# KiCad board panel.opm-inline.kicad_pcb (continued)
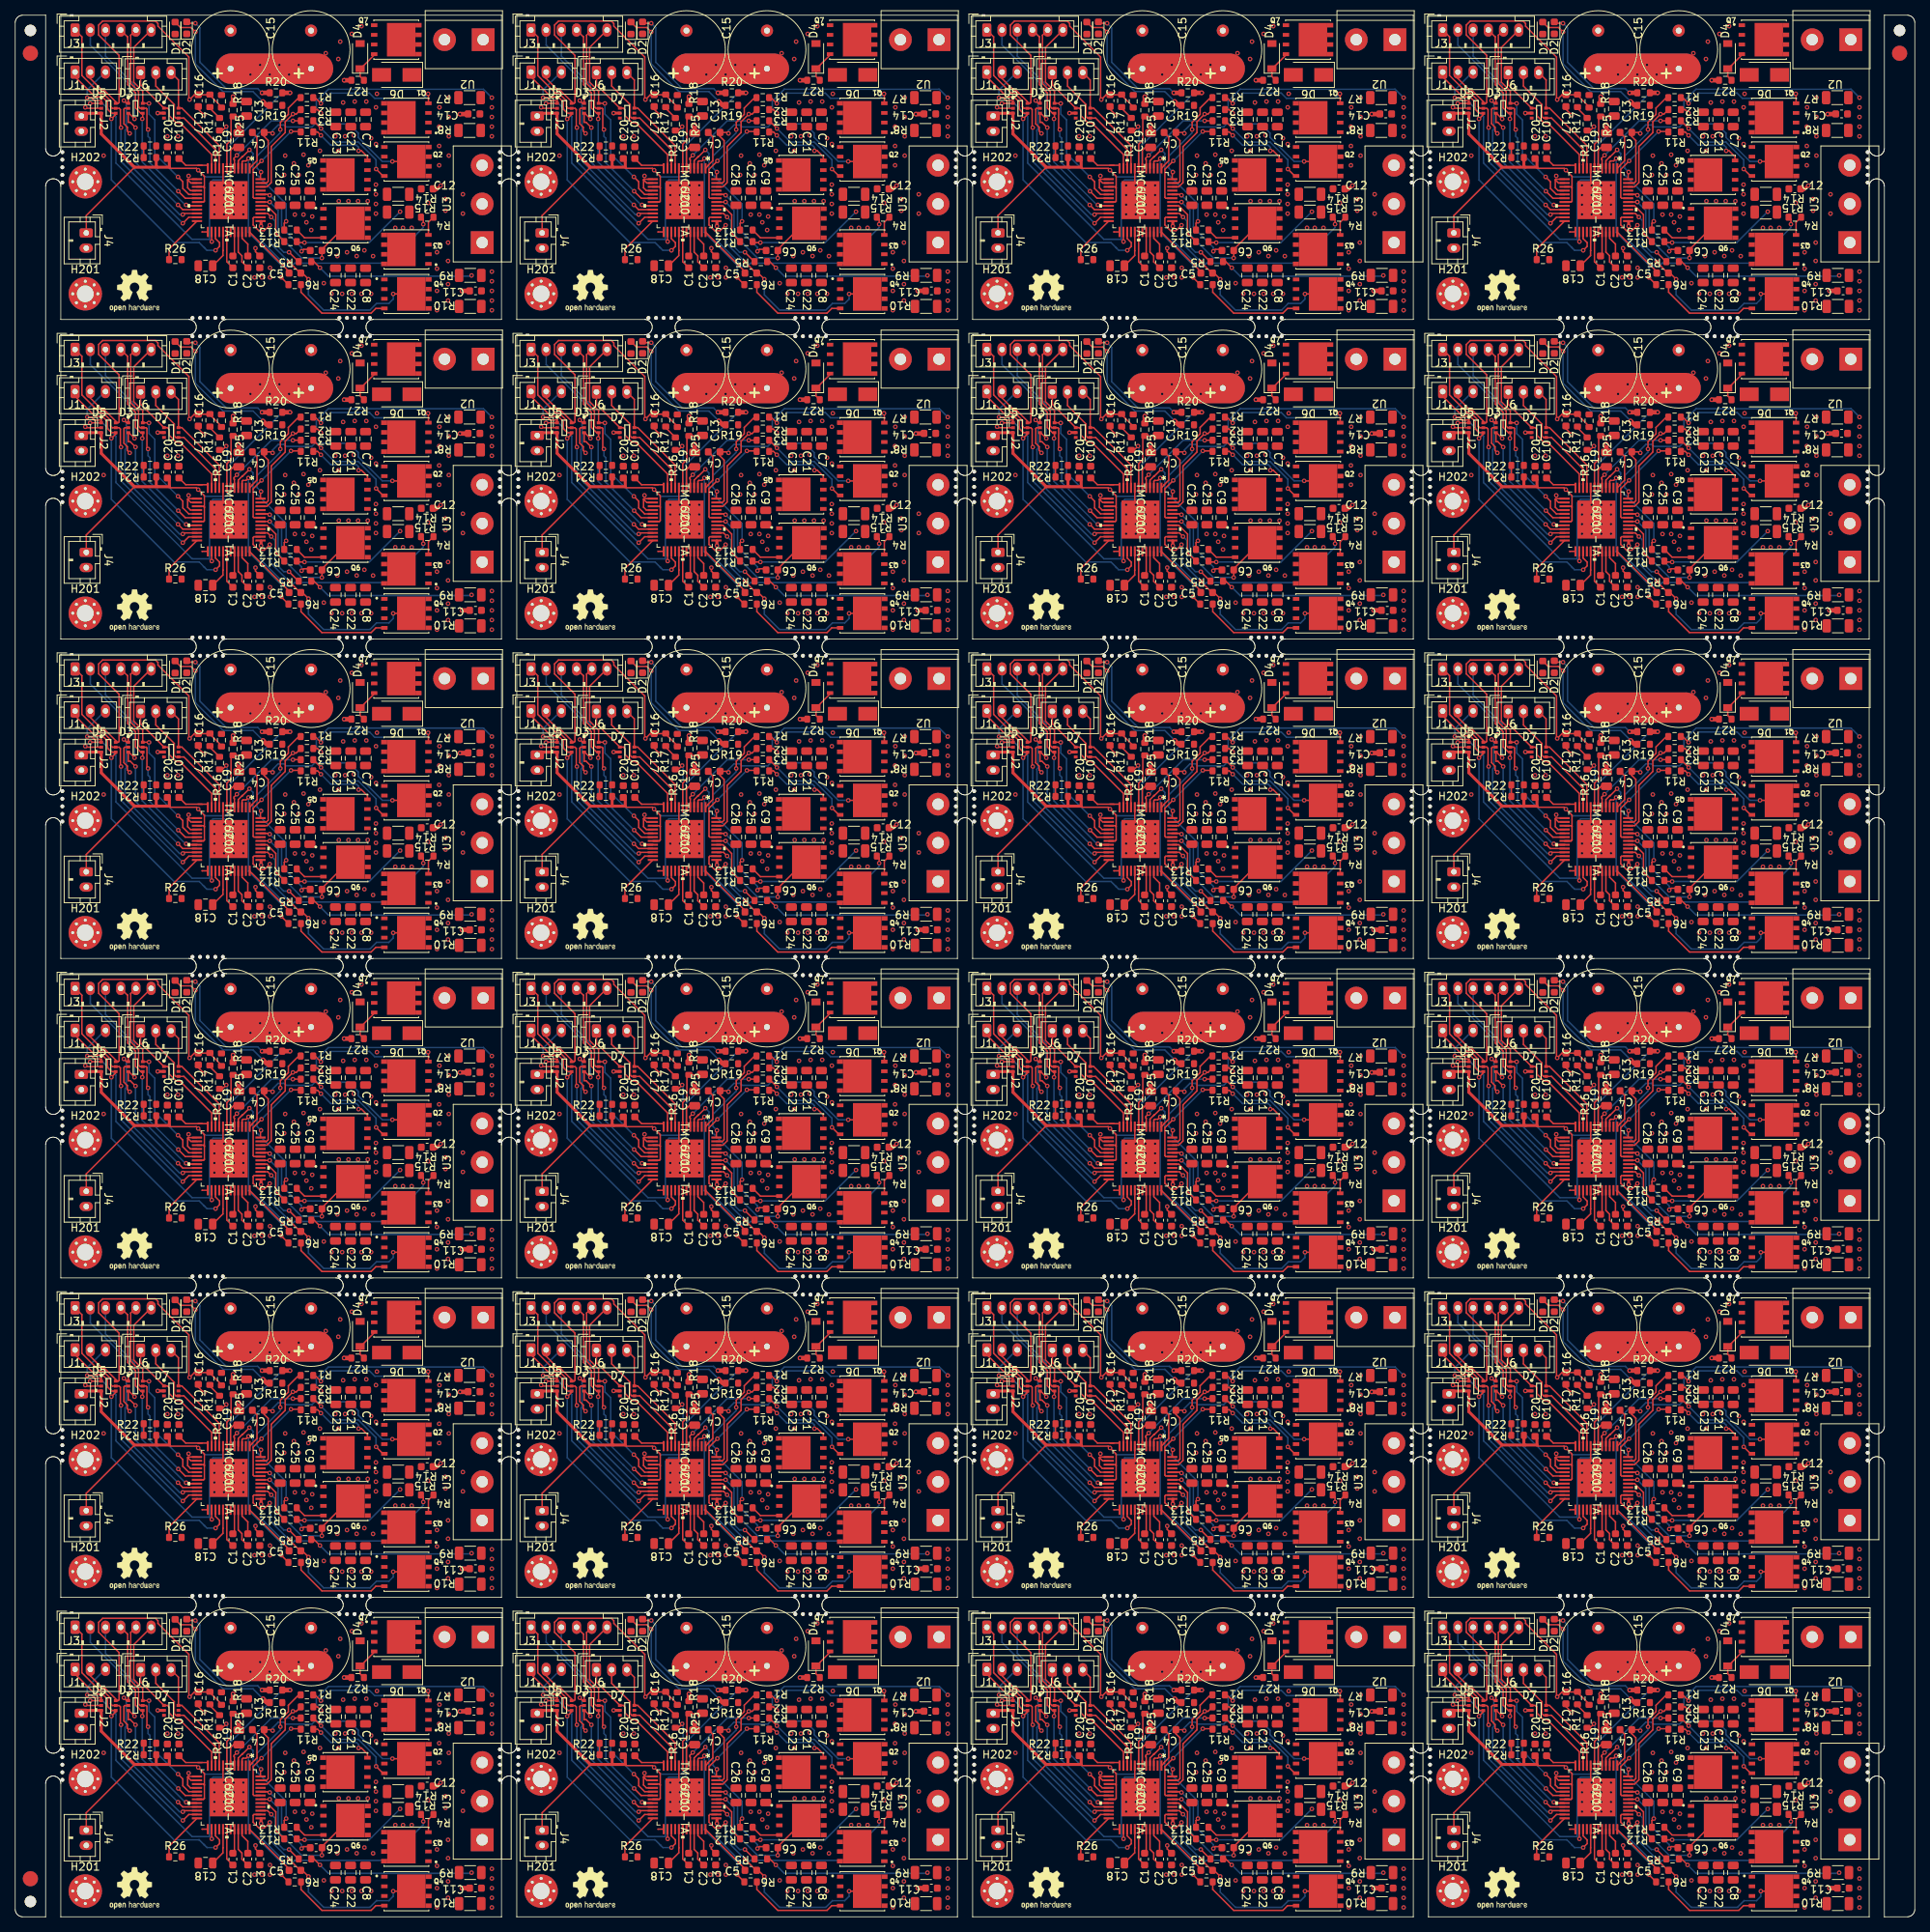
[diagram p0: board, top side]
## Nets (continued)
Board_9-Net-(C1-Pad1): C1#15.1 IC1#13.30
Board_9-Net-(C1-Pad2): C1#15.2 IC1#13.32
Board_9-Net-(C2-Pad2): C2#5.2 IC1#13.34
Board_9-Net-(C4-Pad1): C4.1 IC1#13.47 Q1#16.1 Q1#16.2 Q1#16.3 Q2#10.5 Q2#10.6 Q2#10.7 Q2#10.8 R7#10.2 R8#19.2
Board_9-Net-(C4-Pad2): C4.2 IC1#13.1
Board_9-Net-(C5-Pad1): C5#8.1 IC1#13.36
Board_9-Net-(C5-Pad2): C5#8.2 IC1#13.38 Q3#21.1 Q3#21.2 Q3#21.3 Q4#14.5 Q4#14.6 Q4#14.7 Q4#14.8 R9#23.2 R10#18.2
Board_9-Net-(C6-Pad1): C6#2.1 IC1#13.42 Q5#8.1 Q5#8.2 Q5#8.3 Q6#20.5 Q6#20.6 Q6#20.7 Q6#20.8 R14#14.2 R15#2.2
Board_9-Net-(C6-Pad2): C6#2.2 IC1#13.44
Board_9-Net-(D1-Pad2): D1#21.2 R19#21.1
Board_9-Net-(D2-Pad2): D2#9.2 R20#12.1
Board_9-Net-(D4-Pad1): D4#4.1 Q7#2.4 R27#22.1
Board_9-Net-(D6-Pad2): D6#17.2 Q7#2.5 Q7#2.6 Q7#2.7 Q7#2.8 U2#2.2
Board_9-Net-(IC1-Pad3): IC1#13.3 R6#2.2
Board_9-Net-(IC1-Pad4): IC1#13.4 R13#16.2
Board_9-Net-(IC1-Pad5): IC1#13.5 R3#19.2
Board_9-Net-(IC1-Pad24): IC1#13.24 R26#6.1
Board_9-Net-(IC1-Pad37): IC1#13.37 R4#18.2
Board_9-Net-(IC1-Pad39): IC1#13.39 R5#3.2
Board_9-Net-(IC1-Pad41): IC1#13.41 R12#9.2
Board_9-Net-(IC1-Pad43): IC1#13.43 R11#17.2
Board_9-Net-(IC1-Pad46): IC1#13.46 R2#23.2
Board_9-Net-(IC1-Pad48): IC1#13.48 R1#11.2
Board_9-Net-(Q1-Pad4): Q1#16.4 R1#11.1
Board_9-Net-(Q2-Pad4): Q2#10.4 R3#19.1
Board_9-Net-(Q3-Pad4): Q3#21.4 R4#18.1
Board_9-Net-(Q4-Pad4): Q4#14.4 R6#2.1
Board_9-Net-(Q5-Pad4): Q5#8.4 R11#17.1
Board_9-Net-(Q6-Pad4): Q6#20.4 R13#16.1
Board_9-Net-(R16-Pad2): R16#19.2 R17#15.1
Board_9-unconnected-(D7-Pad3): D7#2.3
Board_9-unconnected-(D7-Pad5): D7#2.5
Board_10-/+VM: C2#23.1 C3#24.1 C7#20.1 C8#9.1 C9#5.1 C15#23.1 C16#6.1 C21#19.1 C22#15.1 C23#2.1 C24#5.1 C25#18.1 C26#19.1 D4#23.2 IC1#4.33 Q1#5.5 Q1#5.6 Q1#5.7 Q1#5.8 Q3#6.5 Q3#6.6 Q3#6.7 Q3#6.8 Q5#13.5 Q5#13.6 Q5#13.7 Q5#13.8 Q7#10.1 Q7#10.2 Q7#10.3 R25#22.2
Board_10-/ADC_I_u: D7#17.6 IC1#4.9 J6#2.3
Board_10-/ADC_I_v: D7#17.4 IC1#4.10 J6#2.2
Board_10-/ADC_I_w: D7#17.1 IC1#4.11 J6#2.1
Board_10-/Connectors/VOFS: R21#11.2 R22#18.1
Board_10-/DRV_EN: D5#5.4 IC1#4.27 J1#20.1
Board_10-/FAULT: D5#5.1 IC1#4.26 J1#20.3 R20#15.2
Board_10-/Motor Driver/VOFS: C10#17.1 IC1#4.12
Board_10-/TEMP_PCB: C17#4.1 D5#5.6 J1#20.2 R17#22.2 R18#9.1
Board_10-/U: C14#20.1 R2#14.1 R7#23.1 R8#17.1 U3.3
Board_10-/UH: D3#20.6 IC1#4.17 J3#5.6
Board_10-/UL: D3#20.5 IC1#4.18 J3#5.5
Board_10-/V: C12#23.1 R12#22.1 R14#4.1 R15#17.1 U3.2
Board_10-/VH: D3#20.4 IC1#4.20 J3#5.4
Board_10-/VL: D3#20.3 IC1#4.21 J3#5.3
Board_10-/VSA: C18#9.1 IC1#4.29
Board_10-/W: C11#7.1 R5#21.1 R9.1 R10#17.1 U3.1
Board_10-/WH: D3#20.1 IC1#4.22 J3#5.2
Board_10-/WL: D5#5.5 IC1#4.23 J3#5.1
Board_10-GND: C3#24.2 C7#20.2 C8#9.2 C9#5.2 C10#17.2 C11#7.2 C12#23.2 C13#21.2 C14#20.2 C15#23.2 C16#6.2 C17#4.2 C18#9.2 C19#2.2 C20#21.2 C21#19.2 C22#15.2 C23#2.2 C24#5.2 C25#18.2 C26#19.2 D1#17.1 D2#16.1 D3#20.2 D5#5.2 D6#19.1 D7#17.2 H201#7.1 H202#17.1 IC1#4.8 IC1#4.13 IC1#4.14 IC1#4.16 IC1#4.25 IC1#4.EPAD J2#19.2 J4#12.2 Q2#14.1 Q2#14.2 Q2#14.3 Q4.1 Q4.2 Q4.3 Q6#13.1 Q6#13.2 Q6#13.3 R18#9.2 R22#18.2 R26#15.2 R27#4.2 U2#6.1
Board_10-Net-(C1-Pad1): C1#20.1 IC1#4.30
Board_10-Net-(C1-Pad2): C1#20.2 IC1#4.32
Board_10-Net-(C2-Pad2): C2#23.2 IC1#4.34
Board_10-Net-(C4-Pad1): C4#14.1 IC1#4.47 Q1#5.1 Q1#5.2 Q1#5.3 Q2#14.5 Q2#14.6 Q2#14.7 Q2#14.8 R7#23.2 R8#17.2
Board_10-Net-(C4-Pad2): C4#14.2 IC1#4.1
Board_10-Net-(C5-Pad1): C5#19.1 IC1#4.36
Board_10-Net-(C5-Pad2): C5#19.2 IC1#4.38 Q3#6.1 Q3#6.2 Q3#6.3 Q4.5 Q4.6 Q4.7 Q4.8 R9.2 R10#17.2
Board_10-Net-(C6-Pad1): C6#12.1 IC1#4.42 Q5#13.1 Q5#13.2 Q5#13.3 Q6#13.5 Q6#13.6 Q6#13.7 Q6#13.8 R14#4.2 R15#17.2
Board_10-Net-(C6-Pad2): C6#12.2 IC1#4.44
Board_10-Net-(D1-Pad2): D1#17.2 R19#19.1
Board_10-Net-(D2-Pad2): D2#16.2 R20#15.1
Board_10-Net-(D4-Pad1): D4#23.1 Q7#10.4 R27#4.1
Board_10-Net-(D6-Pad2): D6#19.2 Q7#10.5 Q7#10.6 Q7#10.7 Q7#10.8 U2#6.2
Board_10-Net-(IC1-Pad3): IC1#4.3 R6#4.2
Board_10-Net-(IC1-Pad4): IC1#4.4 R13#11.2
Board_10-Net-(IC1-Pad5): IC1#4.5 R3#11.2
Board_10-Net-(IC1-Pad24): IC1#4.24 R26#15.1
Board_10-Net-(IC1-Pad37): IC1#4.37 R4#10.2
Board_10-Net-(IC1-Pad39): IC1#4.39 R5#21.2
Board_10-Net-(IC1-Pad41): IC1#4.41 R12#22.2
Board_10-Net-(IC1-Pad43): IC1#4.43 R11#10.2
Board_10-Net-(IC1-Pad46): IC1#4.46 R2#14.2
Board_10-Net-(IC1-Pad48): IC1#4.48 R1#22.2
Board_10-Net-(Q1-Pad4): Q1#5.4 R1#22.1
Board_10-Net-(Q2-Pad4): Q2#14.4 R3#11.1
Board_10-Net-(Q3-Pad4): Q3#6.4 R4#10.1
Board_10-Net-(Q4-Pad4): Q4.4 R6#4.1
Board_10-Net-(Q5-Pad4): Q5#13.4 R11#10.1
Board_10-Net-(Q6-Pad4): Q6#13.4 R13#11.1
Board_10-Net-(R16-Pad2): R16#24.2 R17#22.1
Board_10-unconnected-(D7-Pad3): D7#17.3
Board_10-unconnected-(D7-Pad5): D7#17.5
Board_11-/+VM: C2#13.1 C3#20.1 C7#19.1 C8.1 C9#16.1 C15#20.1 C16#4.1 C21#4.1 C22#14.1 C23#10.1 C24#7.1 C25#7.1 C26#8.1 D4#10.2 IC1#8.33 Q1#20.5 Q1#20.6 Q1#20.7 Q1#20.8 Q3.5 Q3.6 Q3.7 Q3.8 Q5#15.5 Q5#15.6 Q5#15.7 Q5#15.8 Q7#21.1 Q7#21.2 Q7#21.3 R25#19.2
Board_11-/ADC_I_u: D7#23.6 IC1#8.9 J6#15.3
Board_11-/ADC_I_v: D7#23.4 IC1#8.10 J6#15.2
Board_11-/ADC_I_w: D7#23.1 IC1#8.11 J6#15.1
Board_11-/Connectors/VOFS: R21#16.2 R22#13.1
Board_11-/DRV_EN: D5#16.4 IC1#8.27 J1#8.1
Board_11-/FAULT: D5#16.1 IC1#8.26 J1#8.3 R20#10.2
Board_11-/Motor Driver/VOFS: C10#24.1 IC1#8.12
Board_11-/TEMP_PCB: C17#13.1 D5#16.6 J1#8.2 R17#12.2 R18#24.1
Board_11-/U: C14#22.1 R2#21.1 R7#8.1 R8#13.1 U3#9.3
Board_11-/UH: D3#6.6 IC1#8.17 J3#8.6
Board_11-/UL: D3#6.5 IC1#8.18 J3#8.5
Board_11-/V: C12#10.1 R12#24.1 R14#7.1 R15#10.1 U3#9.2
Board_11-/VH: D3#6.4 IC1#8.20 J3#8.4
Board_11-/VL: D3#6.3 IC1#8.21 J3#8.3
Board_11-/VSA: C18#5.1 IC1#8.29
Board_11-/W: C11#4.1 R5#14.1 R9#8.1 R10#16.1 U3#9.1
Board_11-/WH: D3#6.1 IC1#8.22 J3#8.2
Board_11-/WL: D5#16.5 IC1#8.23 J3#8.1
Board_11-GND: C3#20.2 C7#19.2 C8.2 C9#16.2 C10#24.2 C11#4.2 C12#10.2 C13#10.2 C14#22.2 C15#20.2 C16#4.2 C17#13.2 C18#5.2 C19#7.2 C20#11.2 C21#4.2 C22#14.2 C23#10.2 C24#7.2 C25#7.2 C26#8.2 D1#14.1 D2#14.1 D3#6.2 D5#16.2 D6#7.1 D7#23.2 H201#20.1 H202#7.1 IC1#8.8 IC1#8.13 IC1#8.14 IC1#8.16 IC1#8.25 IC1#8.EPAD J2#5.2 J4#6.2 Q2#11.1 Q2#11.2 Q2#11.3 Q4#2.1 Q4#2.2 Q4#2.3 Q6#3.1 Q6#3.2 Q6#3.3 R18#24.2 R22#13.2 R26#23.2 R27#12.2 U2#15.1
Board_11-Net-(C1-Pad1): C1#8.1 IC1#8.30
Board_11-Net-(C1-Pad2): C1#8.2 IC1#8.32
Board_11-Net-(C2-Pad2): C2#13.2 IC1#8.34
Board_11-Net-(C4-Pad1): C4#2.1 IC1#8.47 Q1#20.1 Q1#20.2 Q1#20.3 Q2#11.5 Q2#11.6 Q2#11.7 Q2#11.8 R7#8.2 R8#13.2
Board_11-Net-(C4-Pad2): C4#2.2 IC1#8.1
Board_11-Net-(C5-Pad1): C5#16.1 IC1#8.36
Board_11-Net-(C5-Pad2): C5#16.2 IC1#8.38 Q3.1 Q3.2 Q3.3 Q4#2.5 Q4#2.6 Q4#2.7 Q4#2.8 R9#8.2 R10#16.2
Board_11-Net-(C6-Pad1): C6#13.1 IC1#8.42 Q5#15.1 Q5#15.2 Q5#15.3 Q6#3.5 Q6#3.6 Q6#3.7 Q6#3.8 R14#7.2 R15#10.2
Board_11-Net-(C6-Pad2): C6#13.2 IC1#8.44
Board_11-Net-(D1-Pad2): D1#14.2 R19#8.1
Board_11-Net-(D2-Pad2): D2#14.2 R20#10.1
Board_11-Net-(D4-Pad1): D4#10.1 Q7#21.4 R27#12.1
Board_11-Net-(D6-Pad2): D6#7.2 Q7#21.5 Q7#21.6 Q7#21.7 Q7#21.8 U2#15.2
Board_11-Net-(IC1-Pad3): IC1#8.3 R6#14.2
Board_11-Net-(IC1-Pad4): IC1#8.4 R13#6.2
Board_11-Net-(IC1-Pad5): IC1#8.5 R3#16.2
Board_11-Net-(IC1-Pad24): IC1#8.24 R26#23.1
Board_11-Net-(IC1-Pad37): IC1#8.37 R4#23.2
Board_11-Net-(IC1-Pad39): IC1#8.39 R5#14.2
Board_11-Net-(IC1-Pad41): IC1#8.41 R12#24.2
Board_11-Net-(IC1-Pad43): IC1#8.43 R11#9.2
Board_11-Net-(IC1-Pad46): IC1#8.46 R2#21.2
Board_11-Net-(IC1-Pad48): IC1#8.48 R1#9.2
Board_11-Net-(Q1-Pad4): Q1#20.4 R1#9.1
Board_11-Net-(Q2-Pad4): Q2#11.4 R3#16.1
Board_11-Net-(Q3-Pad4): Q3.4 R4#23.1
Board_11-Net-(Q4-Pad4): Q4#2.4 R6#14.1
Board_11-Net-(Q5-Pad4): Q5#15.4 R11#9.1
Board_11-Net-(Q6-Pad4): Q6#3.4 R13#6.1
Board_11-Net-(R16-Pad2): R16#15.2 R17#12.1
Board_11-unconnected-(D7-Pad3): D7#23.3
Board_11-unconnected-(D7-Pad5): D7#23.5
Board_12-/+VM: C2#21.1 C3#13.1 C7#10.1 C8#21.1 C9#15.1 C15#24.1 C16#18.1 C21#17.1 C22#11.1 C23#8.1 C24#8.1 C25#19.1 C26#20.1 D4#2.2 IC1#22.33 Q1.5 Q1.6 Q1.7 Q1.8 Q3#13.5 Q3#13.6 Q3#13.7 Q3#13.8 Q5#21.5 Q5#21.6 Q5#21.7 Q5#21.8 Q7#5.1 Q7#5.2 Q7#5.3 R25#11.2
Board_12-/ADC_I_u: D7#20.6 IC1#22.9 J6#3.3
Board_12-/ADC_I_v: D7#20.4 IC1#22.10 J6#3.2
Board_12-/ADC_I_w: D7#20.1 IC1#22.11 J6#3.1
Board_12-/Connectors/VOFS: R21#2.2 R22#24.1
Board_12-/DRV_EN: D5#9.4 IC1#22.27 J1#6.1
Board_12-/FAULT: D5#9.1 IC1#22.26 J1#6.3 R20#23.2
Board_12-/Motor Driver/VOFS: C10#22.1 IC1#22.12
Board_12-/TEMP_PCB: C17#3.1 D5#9.6 J1#6.2 R17#20.2 R18#22.1
Board_12-/U: C14#13.1 R2#17.1 R7#18.1 R8#15.1 U3#6.3
Board_12-/UH: D3#11.6 IC1#22.17 J3#4.6
Board_12-/UL: D3#11.5 IC1#22.18 J3#4.5
Board_12-/V: C12#18.1 R12#7.1 R14#23.1 R15#6.1 U3#6.2
Board_12-/VH: D3#11.4 IC1#22.20 J3#4.4
Board_12-/VL: D3#11.3 IC1#22.21 J3#4.3
Board_12-/VSA: C18#8.1 IC1#22.29
Board_12-/W: C11#19.1 R5#16.1 R9#3.1 R10#6.1 U3#6.1
Board_12-/WH: D3#11.1 IC1#22.22 J3#4.2
Board_12-/WL: D5#9.5 IC1#22.23 J3#4.1
Board_12-GND: C3#13.2 C7#10.2 C8#21.2 C9#15.2 C10#22.2 C11#19.2 C12#18.2 C13#24.2 C14#13.2 C15#24.2 C16#18.2 C17#3.2 C18#8.2 C19#10.2 C20#18.2 C21#17.2 C22#11.2 C23#8.2 C24#8.2 C25#19.2 C26#20.2 D1#10.1 D2#15.1 D3#11.2 D5#9.2 D6#24.1 D7#20.2 H201#4.1 H202#11.1 IC1#22.8 IC1#22.13 IC1#22.14 IC1#22.16 IC1#22.25 IC1#22.EPAD J2#6.2 J4#10.2 Q2#6.1 Q2#6.2 Q2#6.3 Q4#15.1 Q4#15.2 Q4#15.3 Q6#23.1 Q6#23.2 Q6#23.3 R18#22.2 R22#24.2 R26#14.2 R27#19.2 U2#13.1
Board_12-Net-(C1-Pad1): C1#18.1 IC1#22.30
Board_12-Net-(C1-Pad2): C1#18.2 IC1#22.32
Board_12-Net-(C2-Pad2): C2#21.2 IC1#22.34
Board_12-Net-(C4-Pad1): C4#7.1 IC1#22.47 Q1.1 Q1.2 Q1.3 Q2#6.5 Q2#6.6 Q2#6.7 Q2#6.8 R7#18.2 R8#15.2
Board_12-Net-(C4-Pad2): C4#7.2 IC1#22.1
Board_12-Net-(C5-Pad1): C5#5.1 IC1#22.36
Board_12-Net-(C5-Pad2): C5#5.2 IC1#22.38 Q3#13.1 Q3#13.2 Q3#13.3 Q4#15.5 Q4#15.6 Q4#15.7 Q4#15.8 R9#3.2 R10#6.2
Board_12-Net-(C6-Pad1): C6#16.1 IC1#22.42 Q5#21.1 Q5#21.2 Q5#21.3 Q6#23.5 Q6#23.6 Q6#23.7 Q6#23.8 R14#23.2 R15#6.2
Board_12-Net-(C6-Pad2): C6#16.2 IC1#22.44
Board_12-Net-(D1-Pad2): D1#10.2 R19#24.1
Board_12-Net-(D2-Pad2): D2#15.2 R20#23.1
Board_12-Net-(D4-Pad1): D4#2.1 Q7#5.4 R27#19.1
Board_12-Net-(D6-Pad2): D6#24.2 Q7#5.5 Q7#5.6 Q7#5.7 Q7#5.8 U2#13.2
Board_12-Net-(IC1-Pad3): IC1#22.3 R6#18.2
Board_12-Net-(IC1-Pad4): IC1#22.4 R13#9.2
Board_12-Net-(IC1-Pad5): IC1#22.5 R3#18.2
Board_12-Net-(IC1-Pad24): IC1#22.24 R26#14.1
Board_12-Net-(IC1-Pad37): IC1#22.37 R4#16.2
Board_12-Net-(IC1-Pad39): IC1#22.39 R5#16.2
Board_12-Net-(IC1-Pad41): IC1#22.41 R12#7.2
Board_12-Net-(IC1-Pad43): IC1#22.43 R11#7.2
Board_12-Net-(IC1-Pad46): IC1#22.46 R2#17.2
Board_12-Net-(IC1-Pad48): IC1#22.48 R1#18.2
Board_12-Net-(Q1-Pad4): Q1.4 R1#18.1
Board_12-Net-(Q2-Pad4): Q2#6.4 R3#18.1
Board_12-Net-(Q3-Pad4): Q3#13.4 R4#16.1
Board_12-Net-(Q4-Pad4): Q4#15.4 R6#18.1
Board_12-Net-(Q5-Pad4): Q5#21.4 R11#7.1
Board_12-Net-(Q6-Pad4): Q6#23.4 R13#9.1
Board_12-Net-(R16-Pad2): R16#13.2 R17#20.1
Board_12-unconnected-(D7-Pad3): D7#20.3
Board_12-unconnected-(D7-Pad5): D7#20.5
Board_13-/+VM: C2#17.1 C3#16.1 C7#7.1 C8#12.1 C9#7.1 C15#5.1 C16#11.1 C21#5.1 C22#19.1 C23#21.1 C24#18.1 C25#23.1 C26#9.1 D4#3.2 IC1#19.33 Q1#14.5 Q1#14.6 Q1#14.7 Q1#14.8 Q3#19.5 Q3#19.6 Q3#19.7 Q3#19.8 Q5#10.5 Q5#10.6 Q5#10.7 Q5#10.8 Q7#20.1 Q7#20.2 Q7#20.3 R25#17.2
Board_13-/ADC_I_u: D7#10.6 IC1#19.9 J6.3
Board_13-/ADC_I_v: D7#10.4 IC1#19.10 J6.2
Board_13-/ADC_I_w: D7#10.1 IC1#19.11 J6.1
Board_13-/Connectors/VOFS: R21#13.2 R22#22.1
Board_13-/DRV_EN: D5#15.4 IC1#19.27 J1#4.1
Board_13-/FAULT: D5#15.1 IC1#19.26 J1#4.3 R20#2.2
Board_13-/Motor Driver/VOFS: C10#9.1 IC1#19.12
Board_13-/TEMP_PCB: C17#24.1 D5#15.6 J1#4.2 R17#5.2 R18#19.1
Board_13-/U: C14.1 R2#20.1 R7#24.1 R8#21.1 U3#11.3
Board_13-/UH: D3#4.6 IC1#19.17 J3.6
Board_13-/UL: D3#4.5 IC1#19.18 J3.5
Board_13-/V: C12#13.1 R12#15.1 R14#21.1 R15.1 U3#11.2
Board_13-/VH: D3#4.4 IC1#19.20 J3.4
Board_13-/VL: D3#4.3 IC1#19.21 J3.3
Board_13-/VSA: C18#19.1 IC1#19.29
Board_13-/W: C11#21.1 R5#10.1 R9#10.1 R10#19.1 U3#11.1
Board_13-/WH: D3#4.1 IC1#19.22 J3.2
Board_13-/WL: D5#15.5 IC1#19.23 J3.1
Board_13-GND: C3#16.2 C7#7.2 C8#12.2 C9#7.2 C10#9.2 C11#21.2 C12#13.2 C13#8.2 C14.2 C15#5.2 C16#11.2 C17#24.2 C18#19.2 C19.2 C20#6.2 C21#5.2 C22#19.2 C23#21.2 C24#18.2 C25#23.2 C26#9.2 D1#8.1 D2#13.1 D3#4.2 D5#15.2 D6#20.1 D7#10.2 H201#11.1 H202#22.1 IC1#19.8 IC1#19.13 IC1#19.14 IC1#19.16 IC1#19.25 IC1#19.EPAD J2#4.2 J4.2 Q2#8.1 Q2#8.2 Q2#8.3 Q4#8.1 Q4#8.2 Q4#8.3 Q6#12.1 Q6#12.2 Q6#12.3 R18#19.2 R22#22.2 R26#21.2 R27#17.2 U2#10.1
Board_13-Net-(C1-Pad1): C1#4.1 IC1#19.30
Board_13-Net-(C1-Pad2): C1#4.2 IC1#19.32
Board_13-Net-(C2-Pad2): C2#17.2 IC1#19.34
Board_13-Net-(C4-Pad1): C4#24.1 IC1#19.47 Q1#14.1 Q1#14.2 Q1#14.3 Q2#8.5 Q2#8.6 Q2#8.7 Q2#8.8 R7#24.2 R8#21.2
Board_13-Net-(C4-Pad2): C4#24.2 IC1#19.1
Board_13-Net-(C5-Pad1): C5#24.1 IC1#19.36
Board_13-Net-(C5-Pad2): C5#24.2 IC1#19.38 Q3#19.1 Q3#19.2 Q3#19.3 Q4#8.5 Q4#8.6 Q4#8.7 Q4#8.8 R9#10.2 R10#19.2
Board_13-Net-(C6-Pad1): C6#4.1 IC1#19.42 Q5#10.1 Q5#10.2 Q5#10.3 Q6#12.5 Q6#12.6 Q6#12.7 Q6#12.8 R14#21.2 R15.2
Board_13-Net-(C6-Pad2): C6#4.2 IC1#19.44
Board_13-Net-(D1-Pad2): D1#8.2 R19#23.1
Board_13-Net-(D2-Pad2): D2#13.2 R20#2.1
Board_13-Net-(D4-Pad1): D4#3.1 Q7#20.4 R27#17.1
Board_13-Net-(D6-Pad2): D6#20.2 Q7#20.5 Q7#20.6 Q7#20.7 Q7#20.8 U2#10.2
Board_13-Net-(IC1-Pad3): IC1#19.3 R6#5.2
Board_13-Net-(IC1-Pad4): IC1#19.4 R13#7.2
Board_13-Net-(IC1-Pad5): IC1#19.5 R3#13.2
Board_13-Net-(IC1-Pad24): IC1#19.24 R26#21.1
Board_13-Net-(IC1-Pad37): IC1#19.37 R4#19.2
Board_13-Net-(IC1-Pad39): IC1#19.39 R5#10.2
Board_13-Net-(IC1-Pad41): IC1#19.41 R12#15.2
Board_13-Net-(IC1-Pad43): IC1#19.43 R11#14.2
Board_13-Net-(IC1-Pad46): IC1#19.46 R2#20.2
Board_13-Net-(IC1-Pad48): IC1#19.48 R1#24.2
Board_13-Net-(Q1-Pad4): Q1#14.4 R1#24.1
Board_13-Net-(Q2-Pad4): Q2#8.4 R3#13.1
Board_13-Net-(Q3-Pad4): Q3#19.4 R4#19.1
Board_13-Net-(Q4-Pad4): Q4#8.4 R6#5.1
Board_13-Net-(Q5-Pad4): Q5#10.4 R11#14.1
Board_13-Net-(Q6-Pad4): Q6#12.4 R13#7.1
Board_13-Net-(R16-Pad2): R16#21.2 R17#5.1
Board_13-unconnected-(D7-Pad3): D7#10.3
Board_13-unconnected-(D7-Pad5): D7#10.5
Board_14-/+VM: C2#20.1 C3#14.1 C7#23.1 C8#18.1 C9#4.1 C15#7.1 C16#22.1 C21#16.1 C22#9.1 C23#20.1 C24#14.1 C25#22.1 C26#13.1 D4#11.2 IC1.33 Q1#15.5 Q1#15.6 Q1#15.7 Q1#15.8 Q3#18.5 Q3#18.6 Q3#18.7 Q3#18.8 Q5#20.5 Q5#20.6 Q5#20.7 Q5#20.8 Q7#4.1 Q7#4.2 Q7#4.3 R25#21.2
Board_14-/ADC_I_u: D7#14.6 IC1.9 J6#24.3
Board_14-/ADC_I_v: D7#14.4 IC1.10 J6#24.2
Board_14-/ADC_I_w: D7#14.1 IC1.11 J6#24.1
Board_14-/Connectors/VOFS: R21#6.2 R22#7.1
Board_14-/DRV_EN: D5#20.4 IC1.27 J1#2.1
Board_14-/FAULT: D5#20.1 IC1.26 J1#2.3 R20#6.2
Board_14-/Motor Driver/VOFS: C10#5.1 IC1.12
Board_14-/TEMP_PCB: C17#23.1 D5#20.6 J1#2.2 R17#13.2 R18#5.1
Board_14-/U: C14#5.1 R2#8.1 R7#7.1 R8#18.1 U3#20.3
Board_14-/UH: D3#18.6 IC1.17 J3#20.6
Board_14-/UL: D3#18.5 IC1.18 J3#20.5
Board_14-/V: C12#14.1 R12.1 R14.1 R15#24.1 U3#20.2
Board_14-/VH: D3#18.4 IC1.20 J3#20.4
Board_14-/VL: D3#18.3 IC1.21 J3#20.3
Board_14-/VSA: C18#11.1 IC1.29
Board_14-/W: C11#2.1 R5#5.1 R9#2.1 R10#8.1 U3#20.1
Board_14-/WH: D3#18.1 IC1.22 J3#20.2
Board_14-/WL: D5#20.5 IC1.23 J3#20.1
Board_14-GND: C3#14.2 C7#23.2 C8#18.2 C9#4.2 C10#5.2 C11#2.2 C12#14.2 C13#2.2 C14#5.2 C15#7.2 C16#22.2 C17#23.2 C18#11.2 C19#12.2 C20#2.2 C21#16.2 C22#9.2 C23#20.2 C24#14.2 C25#22.2 C26#13.2 D1#15.1 D2#8.1 D3#18.2 D5#20.2 D6#18.1 D7#14.2 H201#18.1 H202#19.1 IC1.8 IC1.13 IC1.14 IC1.16 IC1.25 IC1.EPAD J2#24.2 J4#20.2 Q2.1 Q2.2 Q2.3 Q4#18.1 Q4#18.2 Q4#18.3 Q6#7.1 Q6#7.2 Q6#7.3 R18#5.2 R22#7.2 R26#17.2 R27#10.2 U2#3.1
Board_14-Net-(C1-Pad1): C1#5.1 IC1.30
Board_14-Net-(C1-Pad2): C1#5.2 IC1.32
Board_14-Net-(C2-Pad2): C2#20.2 IC1.34
Board_14-Net-(C4-Pad1): C4#5.1 IC1.47 Q1#15.1 Q1#15.2 Q1#15.3 Q2.5 Q2.6 Q2.7 Q2.8 R7#7.2 R8#18.2
Board_14-Net-(C4-Pad2): C4#5.2 IC1.1
Board_14-Net-(C5-Pad1): C5#9.1 IC1.36
Board_14-Net-(C5-Pad2): C5#9.2 IC1.38 Q3#18.1 Q3#18.2 Q3#18.3 Q4#18.5 Q4#18.6 Q4#18.7 Q4#18.8 R9#2.2 R10#8.2
Board_14-Net-(C6-Pad1): C6.1 IC1.42 Q5#20.1 Q5#20.2 Q5#20.3 Q6#7.5 Q6#7.6 Q6#7.7 Q6#7.8 R14.2 R15#24.2
Board_14-Net-(C6-Pad2): C6.2 IC1.44
Board_14-Net-(D1-Pad2): D1#15.2 R19#18.1
Board_14-Net-(D2-Pad2): D2#8.2 R20#6.1
Board_14-Net-(D4-Pad1): D4#11.1 Q7#4.4 R27#10.1
Board_14-Net-(D6-Pad2): D6#18.2 Q7#4.5 Q7#4.6 Q7#4.7 Q7#4.8 U2#3.2
Board_14-Net-(IC1-Pad3): IC1.3 R6.2
Board_14-Net-(IC1-Pad4): IC1.4 R13#12.2
Board_14-Net-(IC1-Pad5): IC1.5 R3#20.2
Board_14-Net-(IC1-Pad24): IC1.24 R26#17.1
Board_14-Net-(IC1-Pad37): IC1.37 R4#13.2
Board_14-Net-(IC1-Pad39): IC1.39 R5#5.2
Board_14-Net-(IC1-Pad41): IC1.41 R12.2
Board_14-Net-(IC1-Pad43): IC1.43 R11.2
Board_14-Net-(IC1-Pad46): IC1.46 R2#8.2
Board_14-Net-(IC1-Pad48): IC1.48 R1#6.2
Board_14-Net-(Q1-Pad4): Q1#15.4 R1#6.1
Board_14-Net-(Q2-Pad4): Q2.4 R3#20.1
Board_14-Net-(Q3-Pad4): Q3#18.4 R4#13.1
Board_14-Net-(Q4-Pad4): Q4#18.4 R6.1
Board_14-Net-(Q5-Pad4): Q5#20.4 R11.1
Board_14-Net-(Q6-Pad4): Q6#7.4 R13#12.1
Board_14-Net-(R16-Pad2): R16#9.2 R17#13.1
Board_14-unconnected-(D7-Pad3): D7#14.3
Board_14-unconnected-(D7-Pad5): D7#14.5
Board_15-/+VM: C2#11.1 C3#9.1 C7#11.1 C8#17.1 C9#14.1 C15#6.1 C16#20.1 C21#7.1 C22#21.1 C23#5.1 C24#15.1 C25#13.1 C26#11.1 D4#16.2 IC1#9.33 Q1#11.5 Q1#11.6 Q1#11.7 Q1#11.8 Q3#24.5 Q3#24.6 Q3#24.7 Q3#24.8 Q5#9.5 Q5#9.6 Q5#9.7 Q5#9.8 Q7#3.1 Q7#3.2 Q7#3.3 R25#9.2
Board_15-/ADC_I_u: D7#5.6 IC1#9.9 J6#18.3
Board_15-/ADC_I_v: D7#5.4 IC1#9.10 J6#18.2
Board_15-/ADC_I_w: D7#5.1 IC1#9.11 J6#18.1
Board_15-/Connectors/VOFS: R21#8.2 R22#20.1
Board_15-/DRV_EN: D5#4.4 IC1#9.27 J1#22.1
Board_15-/FAULT: D5#4.1 IC1#9.26 J1#22.3 R20#24.2
Board_15-/Motor Driver/VOFS: C10#16.1 IC1#9.12
Board_15-/TEMP_PCB: C17#14.1 D5#4.6 J1#22.2 R17#21.2 R18#4.1
Board_15-/U: C14#14.1 R2#11.1 R7#22.1 R8#10.1 U3#3.3
Board_15-/UH: D3#10.6 IC1#9.17 J3#3.6
Board_15-/UL: D3#10.5 IC1#9.18 J3#3.5
Board_15-/V: C12#4.1 R12#16.1 R14#20.1 R15#23.1 U3#3.2
Board_15-/VH: D3#10.4 IC1#9.20 J3#3.4
Board_15-/VL: D3#10.3 IC1#9.21 J3#3.3
Board_15-/VSA: C18#7.1 IC1#9.29
Board_15-/W: C11#12.1 R5#20.1 R9#4.1 R10#9.1 U3#3.1
Board_15-/WH: D3#10.1 IC1#9.22 J3#3.2
Board_15-/WL: D5#4.5 IC1#9.23 J3#3.1
Board_15-GND: C3#9.2 C7#11.2 C8#17.2 C9#14.2 C10#16.2 C11#12.2 C12#4.2 C13#7.2 C14#14.2 C15#6.2 C16#20.2 C17#14.2 C18#7.2 C19#17.2 C20#10.2 C21#7.2 C22#21.2 C23#5.2 C24#15.2 C25#13.2 C26#11.2 D1.1 D2#3.1 D3#10.2 D5#4.2 D6#13.1 D7#5.2 H201#19.1 H202.1 IC1#9.8 IC1#9.13 IC1#9.14 IC1#9.16 IC1#9.25 IC1#9.EPAD J2#11.2 J4#24.2 Q2#16.1 Q2#16.2 Q2#16.3 Q4#12.1 Q4#12.2 Q4#12.3 Q6#10.1 Q6#10.2 Q6#10.3 R18#4.2 R22#20.2 R26#20.2 R27#21.2 U2.1
Board_15-Net-(C1-Pad1): C1#17.1 IC1#9.30
Board_15-Net-(C1-Pad2): C1#17.2 IC1#9.32
Board_15-Net-(C2-Pad2): C2#11.2 IC1#9.34
Board_15-Net-(C4-Pad1): C4#9.1 IC1#9.47 Q1#11.1 Q1#11.2 Q1#11.3 Q2#16.5 Q2#16.6 Q2#16.7 Q2#16.8 R7#22.2 R8#10.2
Board_15-Net-(C4-Pad2): C4#9.2 IC1#9.1
Board_15-Net-(C5-Pad1): C5#7.1 IC1#9.36
Board_15-Net-(C5-Pad2): C5#7.2 IC1#9.38 Q3#24.1 Q3#24.2 Q3#24.3 Q4#12.5 Q4#12.6 Q4#12.7 Q4#12.8 R9#4.2 R10#9.2
Board_15-Net-(C6-Pad1): C6#10.1 IC1#9.42 Q5#9.1 Q5#9.2 Q5#9.3 Q6#10.5 Q6#10.6 Q6#10.7 Q6#10.8 R14#20.2 R15#23.2
Board_15-Net-(C6-Pad2): C6#10.2 IC1#9.44
Board_15-Net-(D1-Pad2): D1.2 R19#10.1
Board_15-Net-(D2-Pad2): D2#3.2 R20#24.1
Board_15-Net-(D4-Pad1): D4#16.1 Q7#3.4 R27#21.1
Board_15-Net-(D6-Pad2): D6#13.2 Q7#3.5 Q7#3.6 Q7#3.7 Q7#3.8 U2.2
Board_15-Net-(IC1-Pad3): IC1#9.3 R6#22.2
Board_15-Net-(IC1-Pad4): IC1#9.4 R13#19.2
Board_15-Net-(IC1-Pad5): IC1#9.5 R3#6.2
Board_15-Net-(IC1-Pad24): IC1#9.24 R26#20.1
Board_15-Net-(IC1-Pad37): IC1#9.37 R4#3.2
Board_15-Net-(IC1-Pad39): IC1#9.39 R5#20.2
Board_15-Net-(IC1-Pad41): IC1#9.41 R12#16.2
Board_15-Net-(IC1-Pad43): IC1#9.43 R11#4.2
Board_15-Net-(IC1-Pad46): IC1#9.46 R2#11.2
Board_15-Net-(IC1-Pad48): IC1#9.48 R1#15.2
Board_15-Net-(Q1-Pad4): Q1#11.4 R1#15.1
Board_15-Net-(Q2-Pad4): Q2#16.4 R3#6.1
Board_15-Net-(Q3-Pad4): Q3#24.4 R4#3.1
Board_15-Net-(Q4-Pad4): Q4#12.4 R6#22.1
Board_15-Net-(Q5-Pad4): Q5#9.4 R11#4.1
Board_15-Net-(Q6-Pad4): Q6#10.4 R13#19.1
Board_15-Net-(R16-Pad2): R16#10.2 R17#21.1
Board_15-unconnected-(D7-Pad3): D7#5.3
Board_15-unconnected-(D7-Pad5): D7#5.5
Board_16-/+VM: C2#18.1 C3#19.1 C7#17.1 C8#16.1 C9#2.1 C15#15.1 C16#19.1 C21#23.1 C22#13.1 C23#7.1 C24#3.1 C25.1 C26#23.1 D4#6.2 IC1#2.33 Q1#12.5 Q1#12.6 Q1#12.7 Q1#12.8 Q3#9.5 Q3#9.6 Q3#9.7 Q3#9.8 Q5#11.5 Q5#11.6 Q5#11.7 Q5#11.8 Q7#15.1 Q7#15.2 Q7#15.3 R25#14.2
Board_16-/ADC_I_u: D7#22.6 IC1#2.9 J6#8.3
Board_16-/ADC_I_v: D7#22.4 IC1#2.10 J6#8.2
Board_16-/ADC_I_w: D7#22.1 IC1#2.11 J6#8.1
Board_16-/Connectors/VOFS: R21#10.2 R22#9.1
Board_16-/DRV_EN: D5.4 IC1#2.27 J1#10.1
Board_16-/FAULT: D5.1 IC1#2.26 J1#10.3 R20#21.2
Board_16-/Motor Driver/VOFS: C10#10.1 IC1#2.12
Board_16-/TEMP_PCB: C17#20.1 D5.6 J1#10.2 R17#6.2 R18#7.1
Board_16-/U: C14#7.1 R2#19.1 R7#2.1 R8#20.1 U3#15.3
Board_16-/UH: D3#12.6 IC1#2.17 J3#9.6
Board_16-/UL: D3#12.5 IC1#2.18 J3#9.5
Board_16-/V: C12#2.1 R12#17.1 R14#5.1 R15#20.1 U3#15.2
Board_16-/VH: D3#12.4 IC1#2.20 J3#9.4
Board_16-/VL: D3#12.3 IC1#2.21 J3#9.3
Board_16-/VSA: C18#2.1 IC1#2.29
Board_16-/W: C11#11.1 R5#12.1 R9#16.1 R10#12.1 U3#15.1
Board_16-/WH: D3#12.1 IC1#2.22 J3#9.2
Board_16-/WL: D5.5 IC1#2.23 J3#9.1
Board_16-GND: C3#19.2 C7#17.2 C8#16.2 C9#2.2 C10#10.2 C11#11.2 C12#2.2 C13#13.2 C14#7.2 C15#15.2 C16#19.2 C17#20.2 C18#2.2 C19#23.2 C20#23.2 C21#23.2 C22#13.2 C23#7.2 C24#3.2 C25.2 C26#23.2 D1#6.1 D2.1 D3#12.2 D5.2 D6#14.1 D7#22.2 H201#16.1 H202#5.1 IC1#2.8 IC1#2.13 IC1#2.14 IC1#2.16 IC1#2.25 IC1#2.EPAD J2.2 J4#5.2 Q2#12.1 Q2#12.2 Q2#12.3 Q4#21.1 Q4#21.2 Q4#21.3 Q6#11.1 Q6#11.2 Q6#11.3 R18#7.2 R22#9.2 R26#2.2 R27#9.2 U2#12.1
Board_16-Net-(C1-Pad1): C1#14.1 IC1#2.30
Board_16-Net-(C1-Pad2): C1#14.2 IC1#2.32
Board_16-Net-(C2-Pad2): C2#18.2 IC1#2.34
Board_16-Net-(C4-Pad1): C4#8.1 IC1#2.47 Q1#12.1 Q1#12.2 Q1#12.3 Q2#12.5 Q2#12.6 Q2#12.7 Q2#12.8 R7#2.2 R8#20.2
Board_16-Net-(C4-Pad2): C4#8.2 IC1#2.1
Board_16-Net-(C5-Pad1): C5#2.1 IC1#2.36
Board_16-Net-(C5-Pad2): C5#2.2 IC1#2.38 Q3#9.1 Q3#9.2 Q3#9.3 Q4#21.5 Q4#21.6 Q4#21.7 Q4#21.8 R9#16.2 R10#12.2
Board_16-Net-(C6-Pad1): C6#17.1 IC1#2.42 Q5#11.1 Q5#11.2 Q5#11.3 Q6#11.5 Q6#11.6 Q6#11.7 Q6#11.8 R14#5.2 R15#20.2
Board_16-Net-(C6-Pad2): C6#17.2 IC1#2.44
Board_16-Net-(D1-Pad2): D1#6.2 R19#4.1
Board_16-Net-(D2-Pad2): D2.2 R20#21.1
Board_16-Net-(D4-Pad1): D4#6.1 Q7#15.4 R27#9.1
Board_16-Net-(D6-Pad2): D6#14.2 Q7#15.5 Q7#15.6 Q7#15.7 Q7#15.8 U2#12.2
Board_16-Net-(IC1-Pad3): IC1#2.3 R6#16.2
Board_16-Net-(IC1-Pad4): IC1#2.4 R13#14.2
Board_16-Net-(IC1-Pad5): IC1#2.5 R3#14.2
Board_16-Net-(IC1-Pad24): IC1#2.24 R26#2.1
Board_16-Net-(IC1-Pad37): IC1#2.37 R4#17.2
Board_16-Net-(IC1-Pad39): IC1#2.39 R5#12.2
Board_16-Net-(IC1-Pad41): IC1#2.41 R12#17.2
Board_16-Net-(IC1-Pad43): IC1#2.43 R11#8.2
Board_16-Net-(IC1-Pad46): IC1#2.46 R2#19.2
Board_16-Net-(IC1-Pad48): IC1#2.48 R1#20.2
Board_16-Net-(Q1-Pad4): Q1#12.4 R1#20.1
Board_16-Net-(Q2-Pad4): Q2#12.4 R3#14.1
Board_16-Net-(Q3-Pad4): Q3#9.4 R4#17.1
Board_16-Net-(Q4-Pad4): Q4#21.4 R6#16.1
Board_16-Net-(Q5-Pad4): Q5#11.4 R11#8.1
Board_16-Net-(Q6-Pad4): Q6#11.4 R13#14.1
Board_16-Net-(R16-Pad2): R16#8.2 R17#6.1
Board_16-unconnected-(D7-Pad3): D7#22.3
Board_16-unconnected-(D7-Pad5): D7#22.5
Board_17-/+VM: C2#24.1 C3#3.1 C7#14.1 C8#4.1 C9#17.1 C15#10.1 C16#12.1 C21#15.1 C22#18.1 C23#4.1 C24#20.1 C25#2.1 C26#6.1 D4#19.2 IC1#21.33 Q1#21.5 Q1#21.6 Q1#21.7 Q1#21.8 Q3#15.5 Q3#15.6 Q3#15.7 Q3#15.8 Q5.5 Q5.6 Q5.7 Q5.8 Q7.1 Q7.2 Q7.3 R25#3.2
Board_17-/ADC_I_u: D7#24.6 IC1#21.9 J6#4.3
Board_17-/ADC_I_v: D7#24.4 IC1#21.10 J6#4.2
Board_17-/ADC_I_w: D7#24.1 IC1#21.11 J6#4.1
Board_17-/Connectors/VOFS: R21.2 R22#6.1
Board_17-/DRV_EN: D5#14.4 IC1#21.27 J1#23.1
Board_17-/FAULT: D5#14.1 IC1#21.26 J1#23.3 R20#18.2
Board_17-/Motor Driver/VOFS: C10#2.1 IC1#21.12
Board_17-/TEMP_PCB: C17#16.1 D5#14.6 J1#23.2 R17#11.2 R18#3.1
Board_17-/U: C14#11.1 R2#18.1 R7#19.1 R8#22.1 U3#2.3
Board_17-/UH: D3#2.6 IC1#21.17 J3#18.6
Board_17-/UL: D3#2.5 IC1#21.18 J3#18.5
Board_17-/V: C12#15.1 R12#4.1 R14#8.1 R15#9.1 U3#2.2
Board_17-/VH: D3#2.4 IC1#21.20 J3#18.4
Board_17-/VL: D3#2.3 IC1#21.21 J3#18.3
Board_17-/VSA: C18#12.1 IC1#21.29
Board_17-/W: C11.1 R5#19.1 R9#24.1 R10.1 U3#2.1
Board_17-/WH: D3#2.1 IC1#21.22 J3#18.2
Board_17-/WL: D5#14.5 IC1#21.23 J3#18.1
Board_17-GND: C3#3.2 C7#14.2 C8#4.2 C9#17.2 C10#2.2 C11.2 C12#15.2 C13#6.2 C14#11.2 C15#10.2 C16#12.2 C17#16.2 C18#12.2 C19#9.2 C20#14.2 C21#15.2 C22#18.2 C23#4.2 C24#20.2 C25#2.2 C26#6.2 D1#18.1 D2#23.1 D3#2.2 D5#14.2 D6#15.1 D7#24.2 H201#24.1 H202#14.1 IC1#21.8 IC1#21.13 IC1#21.14 IC1#21.16 IC1#21.25 IC1#21.EPAD J2#22.2 J4#4.2 Q2#21.1 Q2#21.2 Q2#21.3 Q4#10.1 Q4#10.2 Q4#10.3 Q6#22.1 Q6#22.2 Q6#22.3 R18#3.2 R22#6.2 R26#24.2 R27.2 U2#17.1
Board_17-Net-(C1-Pad1): C1#12.1 IC1#21.30
Board_17-Net-(C1-Pad2): C1#12.2 IC1#21.32
Board_17-Net-(C2-Pad2): C2#24.2 IC1#21.34
Board_17-Net-(C4-Pad1): C4#13.1 IC1#21.47 Q1#21.1 Q1#21.2 Q1#21.3 Q2#21.5 Q2#21.6 Q2#21.7 Q2#21.8 R7#19.2 R8#22.2
Board_17-Net-(C4-Pad2): C4#13.2 IC1#21.1
Board_17-Net-(C5-Pad1): C5#20.1 IC1#21.36
Board_17-Net-(C5-Pad2): C5#20.2 IC1#21.38 Q3#15.1 Q3#15.2 Q3#15.3 Q4#10.5 Q4#10.6 Q4#10.7 Q4#10.8 R9#24.2 R10.2
Board_17-Net-(C6-Pad1): C6#5.1 IC1#21.42 Q5.1 Q5.2 Q5.3 Q6#22.5 Q6#22.6 Q6#22.7 Q6#22.8 R14#8.2 R15#9.2
Board_17-Net-(C6-Pad2): C6#5.2 IC1#21.44
